# Allegro board MB1045.brd (continued)
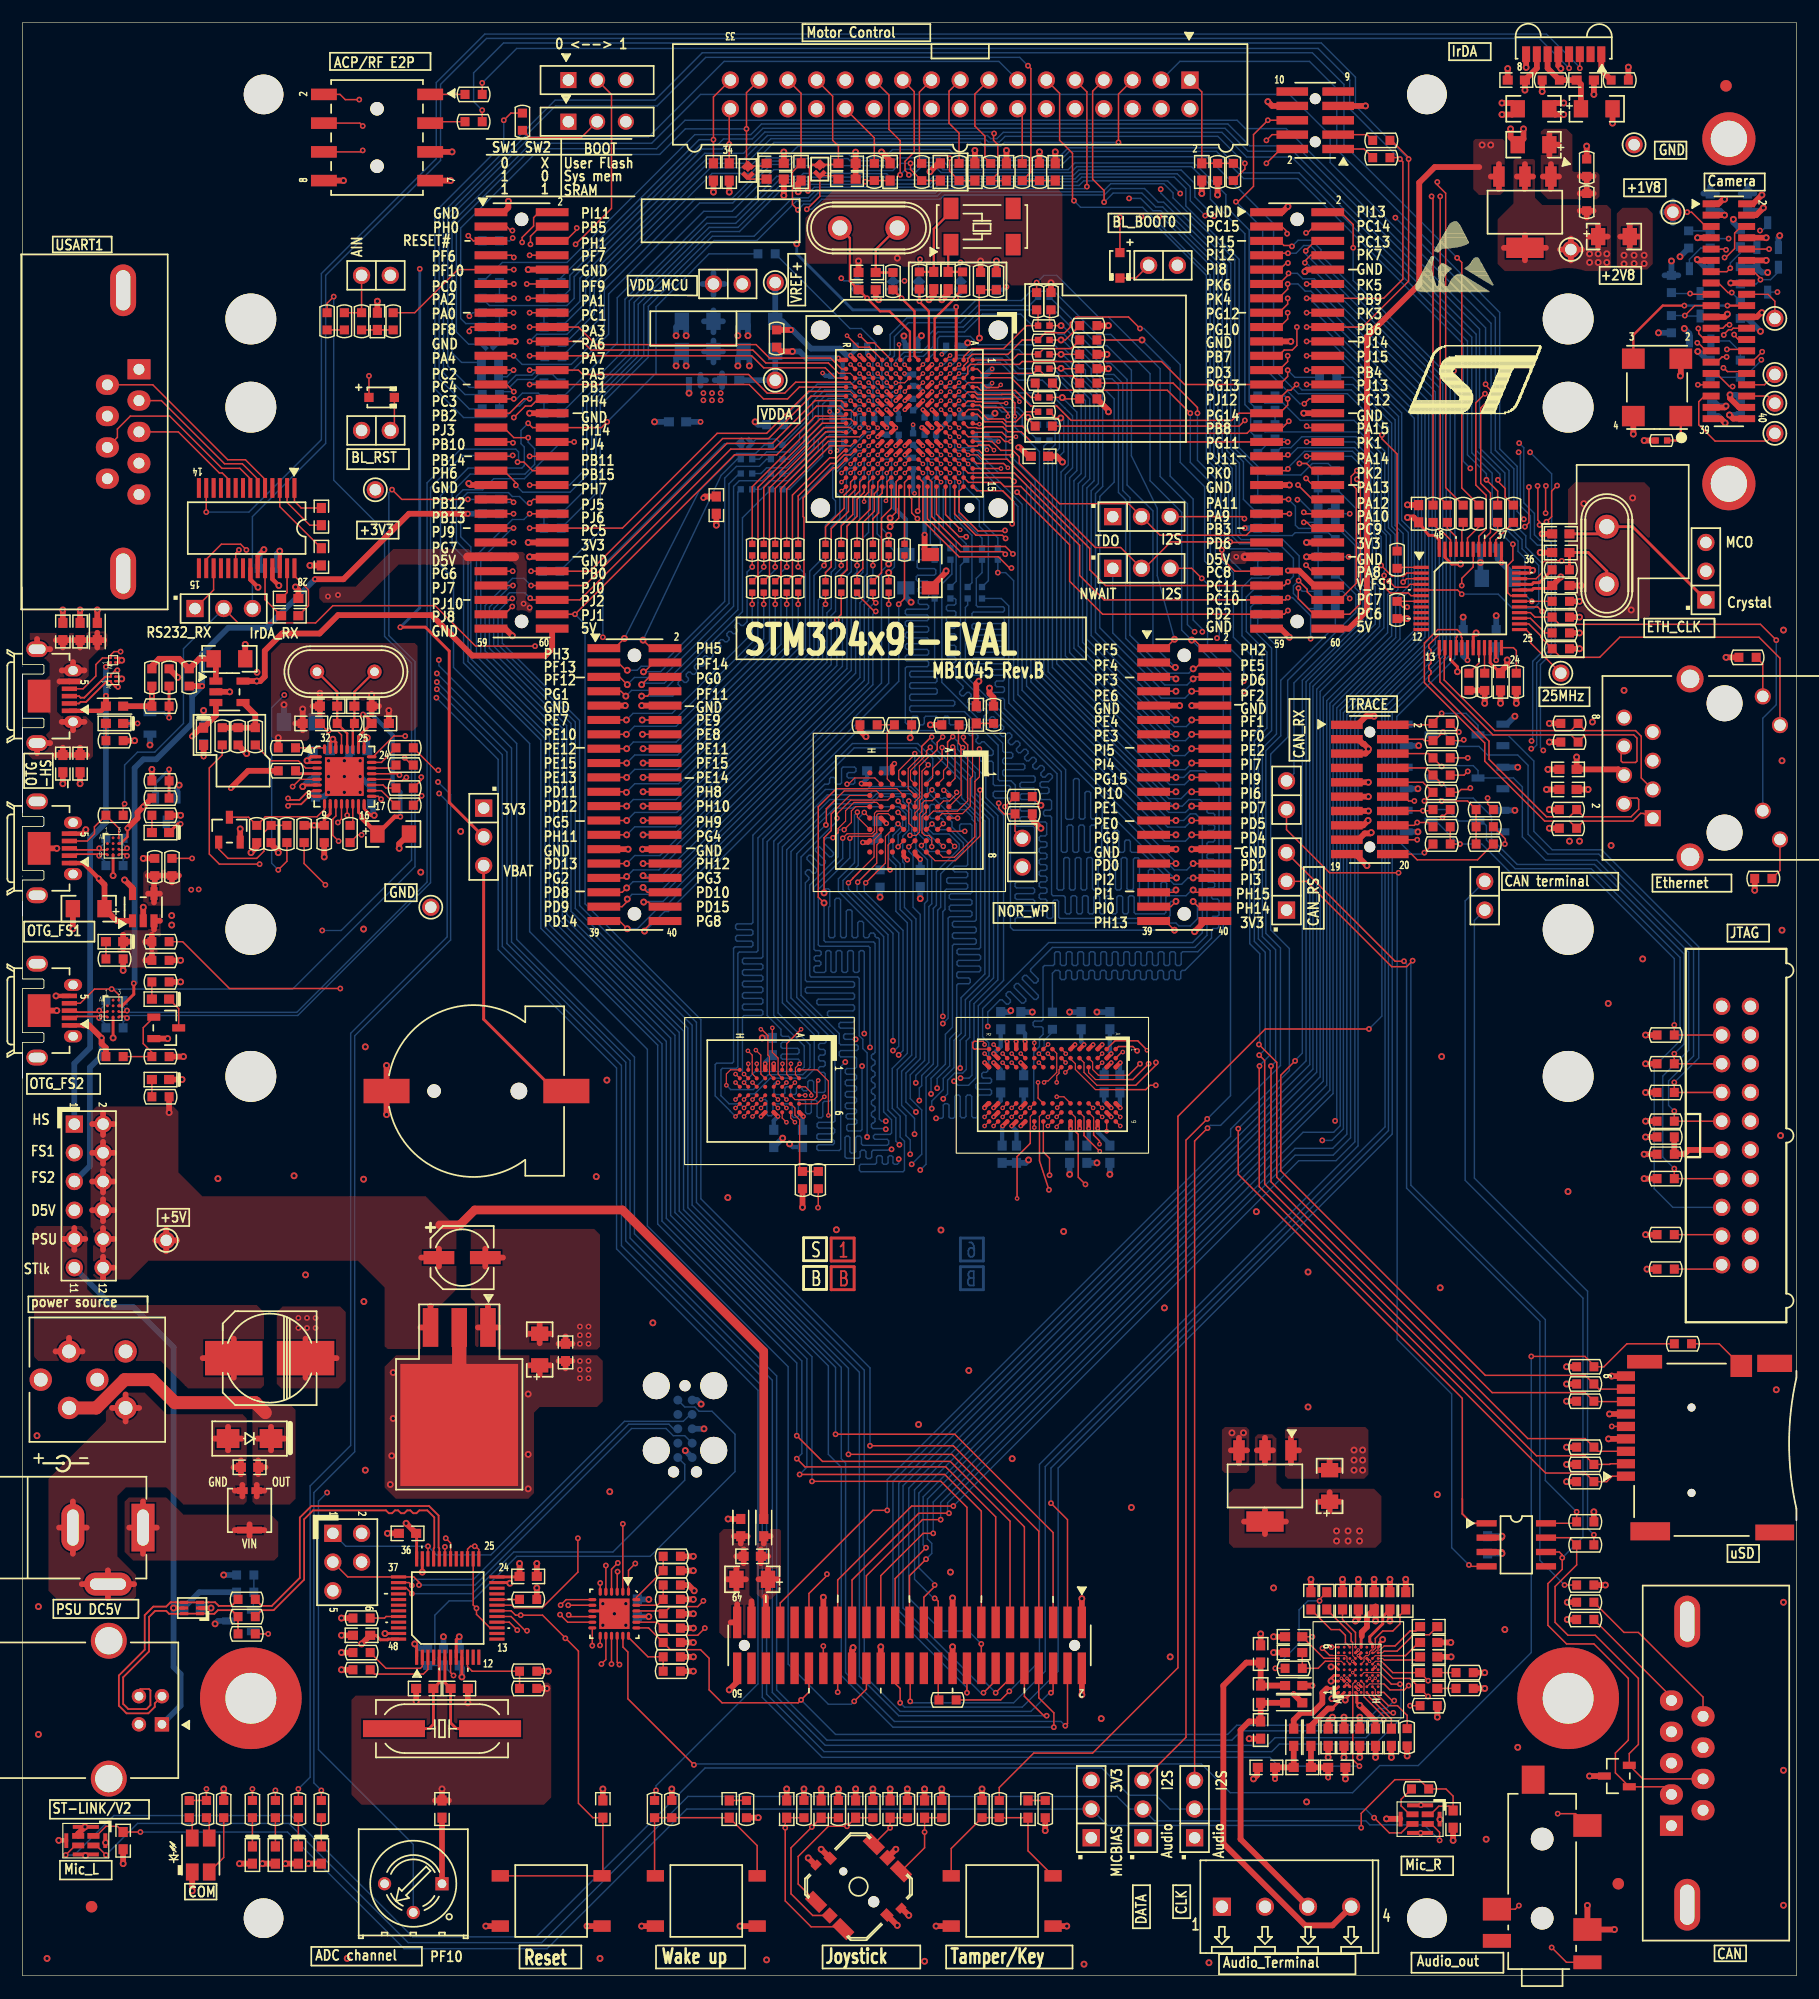
[diagram p0: board, top side]
## Nets (continued)
PC1: CN6.16 R218.2 R222.2 U3.M3
PC2: CN6.23 R228.2 R232.2 U3.M4
PC3: CN6.27 R238.2 R242.2 U3.L4
PC4: CN6.25 R235.2 R239.2 U3.N5
PC5: CN6.46 R263.2 R267.2 U3.P5
PC13: CN7.6 R202.2 U3.D1
PC14: R19.2 SB3.1 U3.E1
PC15: R18.2 SB4.1 U3.F1
PD4: CN12.28 U3.D11 U8.G2 U11.A2
PD5: CN12.26 R110.2 U3.C10
PD7: CN12.24 R93.2 U3.A11
PE0: CN12.25 U3.A6 U10.K9 U11.A1
PE1: CN12.23 U3.A5 U10.K1 U11.B2
PF6: CN6.7 U3.K2 U17.E4
PF7: CN6.8 U3.K1 U17.D3
PF8: CN6.17 U3.L3 U17.G1
PF9: CN6.12 U3.L2 U17.E3
PF10: CN6.9 R28.2 U3.L1
PF11: CN11.8 R52.2 U10.J9
PG6: CN6.51 R192.1 U3.J15
PG7: CN6.47 R191.1 U3.J14
PG8: CN11.40 R62.2 U10.J1
PG9: CN12.27 R147.2 U3.D9
PG10: CN7.17 R190.1 U3.C8
PG11: CN7.33 R246.1 R249.1 U3.B8
PG12: CN7.15 R189.1 U3.C7
PG13: CN7.25 R233.1 U3.B3
PG14: CN7.29 R236.1 U3.A4
PG15: CN12.19 R42.2 U10.K7
PH0: R20.1 SB5.1 U3.G1
PH1: C23.1 SB6.1 U3.H1 X2.1
PH2: CN12.2 R301.2 U3.K4
PH3: CN11.1 R248.1 U10.J8
PH4: CN6.28 U3.H4 U7.11
PH5: CN11.2 R251.1 U10.K8
PH6: CN6.37 R47.2 U3.P13
PH7: CN6.40 R46.2 U3.N13
PI4: CN12.17 U3.C3 U10.F8
PI5: CN12.15 U3.D3 U10.F2
PI8: CN7.9 R167.2 U3.C2 U16.22
PI11: CN6.2 U3.F3 U7.12
PI12: CN7.7 CN20.26 U3.E3
PI13: CN7.2 CN20.28 U3.G3
PI14: CN6.32 CN20.32 R295.1
PK7: CN7.8 R183.2 U3.C4
RESET#: B1.2 B1.3 C91.2 CN20.36 D2.1 R109.2 R123.2 R208.1 U3.J1 U5.29 U15.18
RSTI_C: CN5.17 R212.1 T2.3
STL_USB_DM: R163.1 U15.32
STL_USB_DP: R168.1 U15.33
STM_JTCK_SWCLK: CN19.3 CN25.4 U15.37
STM_JTDI: CN25.8 U15.38
STM_JTDO: CN25.6 U15.39
STM_JTMS_SWDIO: CN19.1 CN25.2 U15.34
STM_RST: C165.2 CN25.10 R305.1 U15.7
SWIM_PU_CTRL: U15.4
T_JTDO: JP4.1 R103.2 U15.16 U15.31
U5V_ST_LINK: C163.1 CN21.1 D8.5 JP12.11 R304.1
VREF+: C103.1 C107.2 R31.2 TP2.1 U3.P1
XSDN_C: CN5.19 R220.1 T3.3

Pads without a net: CN2 5 9 10; CN8 1 4 7 9; CN10 7; CN13 7; CN17 11 12 13 14; CN19 5; CN20 24 41 42 44 46 48; CN22 1 4 8; CN23 5 7; CN25 7 9; D5 A2 B1 B2 C2; D6 A2 B1 B2 C2; D9 1; D10 1; D11 1; D12 1; D13 1; D14 1; U1 2; U4 4 8 9 11 12 14 15 18 19 21; U5 8 9 10 11 12; U8 A1 A8 B1 C1 D1 E1 F8 G1 G8 H1 H8; U10 E3 E7 H3 H7 K2 K3; U11 E3; U14 5; U15 11 12 13 14 21 22 28 40 41 42 43 45 46; U17 A6 A8 B4 B5 B7 B8 B9 C4 C5 C7 C8 E1 E5 F4 F5 F6 F8 F9 G4 H2 H3 H4 H5; X1 2 3

## Via types
v1: diameter 0.508, hole 0.254, TOP to BOTTOM, 583 vias
v2: diameter 0.406, hole 0.203, TOP to BOTTOM, 292 vias
v3: diameter 0.305, hole 0.152, TOP to BOTTOM, 13 vias
v4: diameter 0.61, hole 0.305, TOP to BOTTOM, 602 vias
v5: diameter 0.483, hole 0.254, TOP to BOTTOM, 48 vias

## Routing (per net, layer and track width the routed paths; a pad name or vN(x,y) marks a point on that pad's centre or on a via; arc(x,y) is an arc through that point)
+1V8: length 39.7
  TOP w0.229: U17.D1 117.98,24.93 117.98,24.77 ; U17.D8 v3(118.11,28.8)
  TOP w0.254: v4(118.24,23.91) 117.98,24.16 117.98,24.77 ; C66.1 120.27,31.75 120.27,31.11 119.13,29.97 119.13,29.54 119.36,29.31 U17.G9
  TOP w0.508: 115.57,41.07 C56.1 ; C56.1 116.54,41.91 ; C56.1 114.6,41.91 ; C56.1 115.57,42.75 ; U13.4 111.71,40.16 ; U13.4 108,40.16 ; U13.4 109.86,41.26 ; U13.4 109.86,39.05 ; X3.4 v4(142.43,136.33) ; U13.2 109.86,47.56 ; U13.2 109.14,46.46 ; U13.2 109.86,45.35 ; U13.2 110.57,46.46 ; C66.1 v4(120.9,31.37) ; C64.1 118.11,31.62 v4(117.86,31.37) ; R44.2 v4(143.38,135.76) ; v4(118.24,23.91) 119.63,22.51 C84.1 ; CN5.1 149.33,156.72 149.99,156.72 150.37,157.1 v4(150.5,157.1) ; CN5.2 153.01,156.69 v4(153.8,157.48)
  BOTTOM w0.508: 151.92,157.61 C100.1 ; C100.1 152.53,158.26 ; C100.1 153.14,157.61 ; v4(145.8,151.64) R212.2 ; R212.2 146.41,150.37 ; R212.2 145.19,150.37 ; 144.96,155.96 TP12.1 ; TP12.1 145.92,156.92 ; TP12.1 145.92,154.99 ; v4(144.65,145.29) R220.2 ; 148.61,157.61 C101.2 ; C101.2 149.22,158.26 ; C101.2 149.84,157.61
  vias: v4(116.19,39.33) v4(116.19,38.44) v4(117.2,39.33) v4(117.2,38.44) v4(118.22,39.33) v4(118.22,38.44) v4(136.78,100.33) v4(137.67,100.33)
+2V8: length 29.2
  TOP w0.508: 138.3,155.49 R17.1 ; R17.1 138.91,156.08 ; R17.1 137.69,156.08 ; C19.1 140.16,153.8 ; C19.1 138.48,153.8 ; C19.1 139.32,154.76 ; C19.1 139.32,152.83 ; 132.13,159.11 U2.2 ; U2.2 132.84,160.21 ; U2.2 132.84,158 ; U2.2 133.55,159.11 ; 130.99,152.81 U2.4 ; U2.4 132.84,151.7 ; U2.4 134.7,152.81 ; U2.4 132.84,153.91 ; TP1.1 136.91,153.62 ; TP1.1 136.91,151.69 ; TP1.1 135.94,152.65 ; TP1.1 137.87,152.65 ; v4(150.93,138.02) 151.26,137.69 CN5.40 ; CN5.39 150.17,137.69 v4(150.55,137.31)
  BOTTOM w0.508: v4(150.55,137.31) 149.94,137.92 C117.1 ; R209.2 151.93,151.09 TR2.2 153.36,151.06 153.8,150.62 v4(154.31,150.62) ; TR1.2 155.25,153.69 155.37,153.81 v4(155.37,153.88) ; v4(151.27,155.32) 151.27,155.05 R205.2 ; v4(150.93,138.02) 151.79,138.02 C116.1
  vias: v4(138.56,152.27) v4(138.56,151.51) v4(139.32,152.27) v4(139.32,151.51) v4(140.08,152.27) v4(140.08,151.51)
+3V3: length 233
  TOP w0.229: v3(118.11,25.3) 118.11,25.3 U17.D2 ; U17.B2 116.86,25.55 v3(117.11,25.8) 117.36,25.55 U17.C2
  TOP w0.254: C57.2 34.84,39.07 U15.36 ; v4(55.37,31.75) 55.37,31.75 U16.21 ; C69.2 31.24,30.1 31.64,29.7 32.27,29.7 32.33,29.76 U15.48 ; U5.48 125.27,126.96 124.84,127.38 124.33,127.38 C27.1 ; U7.16 30.2,103.2 30.78,102.62 v4(31.09,102.62) ; U7.31 27.2,109.11 v4(27.43,109.35) 27.7,109.08 U7.30 ; U7.25 30.2,109.19 v4(30.48,109.47) ; U15.1 34.84,29.17 v4(34.67,29.34) ; 118.41,30.02 118.36,29.97 U17.E9 ; U5.22 129.77,116.11 C39.2 ; v4(24.77,105.16) 24.9,105.29 U7.6 ; U15.24 43.9,35.26 C59.1 ; U15.9 v4(38.84,26.42) ; C33.2 135,122.68 133.62,122.68 133.48,122.54 U5.32
  TOP w0.381: U4.22 20.14,123.46 v4(20.82,122.78) ; U10.L1 88.66,82.58 v2(88.64,82.6) ; v2(94.27,74.93) 94.26,74.94 U10.D9 ; U10.C9 95.06,74.94 v2(95.07,74.93) ; U10.F9 92.66,74.94 v2(92.67,74.93) ; v2(97.06,76.74) U10.A7 ; U10.M9 v2(87.46,75.14) ; U8.F1 76.91,107.01 v5(77.09,107.19) ; v2(66.79,75.98) 66.42,76.36 U11.D6 ; v2(85.06,76.74) 85.06,76.8 85.4,77.14 U10.R7 ; U4.26 22.74,125.98 v4(22.73,125.98) ; U10.L7 v2(88.26,76.74) ; U10.N9 v2(86.66,75.14) ; U10.P2 v2(85.86,81.54) ; v2(65.66,80.64) 65.66,80.11 U11.E1 ; U10.B2 v2(96.26,81.54) ; U11.A6 v2(69.04,75.98) ; U8.G5 v5(76.38,101.9) ; U10.E1 v2(93.86,82.34) ; v5(79.38,98.73) 78.91,99.19 U8.D8 ; U10.B7 v2(96.26,76.74) ; U10.P7 v2(85.86,76.74)
  TOP w0.508: R118.2 v4(13.97,102.62) ; R173.1 v4(59.31,29.46) ; R167.1 v4(59.31,32) ; R151.2 v4(136.53,53.85) ; 106.84,46.46 U13.3 ; U13.3 107.56,45.35 ; U13.3 108.27,46.46 ; U13.3 107.56,47.56 ; 45.72,53.14 C52.1 ; C52.1 44.75,53.98 ; C52.1 46.69,53.98 ; v4(130.81,37.34) 130.81,37.44 130.78,37.47 U14.3 ; R136.2 v4(143.51,83.19) ; R2.1 v4(141.99,168.78) ; R78.2 v4(137.67,118.75) ; R135.2 v4(13.97,87.88) ; R198.1 v4(75.18,16.51) ; R88.1 85.85,113.03 85.5,113.39 v4(85.5,113.87) ; LD4.1 v4(19.18,9.91) ; v4(136.02,123.7) C33.2 ; T7.1 v4(19.24,101.41) ; C39.2 130.68,115.32 131.27,115.9 v4(131.27,116.36) ; R145.2 v4(143.38,70.48) ; R80.2 v4(150.62,116.59) ; R79.2 v4(137.67,117.35) ; R156.1 v4(136.53,43.69) ; CN12.40 104.57,93.27 v4(103.63,92.33) ; R196.1 v4(69.09,16.51) ; v4(132.84,166.75) C1.1 133.9,168.69 U1.7 ; LD2.1 v4(23.24,9.91) ; R131.2 v4(153.16,95.99) ; R184.2 v4(125.09,22.86) ; R160.1 v4(59.31,35.81) ; R125.1 v4(26.67,98.93) ; R153.1 v4(136.53,50.8) ; C27.1 123.01,128.96 v4(122.45,128.96) ; R134.1 v4(13.97,89.79) ; LD3.1 v4(21.21,9.91) ; R75.2 v4(137.67,121.54) ; v4(116.84,22.86) C82.1 ; R22.2 v4(86.11,151.64) ; R162.2 v4(139.95,34.54) ; R122.1 21.97,100.08 22.61,99.44 v4(22.61,99.31) ; R76.1 v4(122.43,120.02) ; CN6.48 v4(44.7,126.75) ; R197.1 v4(72.14,16.51) ; B2.4 v4(63.44,4.38) ; R154.1 v4(136.53,46.74) ; R185.1 v4(122.43,19.43) ; R77.2 v4(137.67,120.14) ; R94.2 v4(80.26,110.62) ; C53.1 48.62,54.36 ; C53.1 47.4,54.36 ; C53.1 48.01,53.71 ; v4(62.48,25.27) 63.18,25.97 CN20.50 ; R188.2 v4(17.78,16.51) ; v4(118.24,22.86) C83.1 ; R92.2 74.04,110.11 v4(74.57,109.58) ; R91.1 v4(135,110.74) ; R84.2 R85.2 v4(129.29,112.52) ; R140.2 v4(143.51,78.11) ; RV1.1 C90.1 ; C48.2 v4(138.43,104.9) ; R199.1 v4(78.23,16.51) ; R178.1 v4(46.48,26.92) ; R171.1 v4(59.31,30.73) ; R15.2 v4(105.66,157.48) ; CN17.4 v4(140.24,47.47) ; C57.2 v4(33.91,40.01) ; R179.1 v4(59.31,26.92) ; C69.2 v4(29.97,29.34) ; v4(136.27,164.59) 135.51,164.59 C3.1 135.51,165.61 v4(136.27,165.61) ; v4(119.63,31.37) 119.63,32.64 119.51,32.51 C65.1 118.87,31.75 118.87,30.84 118.41,30.38 118.41,30.02 ; LD1.1 v4(25.27,9.91) ; 141.6,106.17 141.1,106.68 C47.2 v4(137.41,107.77) ; R195.1 v4(65.05,13.97) ; R144.2 v4(143.38,72.64) ; R146.2 v4(68.96,67.94) ; C26.1 v4(61.34,128.27) ; R100.1 v4(135,109.09) ; v4(91.95,133.86) 91.44,134.37 C25.1 ; B2.1 v4(54.74,4.38) ; C59.1 v4(43.94,36.45) ; CN13.1 118.03,110.62 118.8,111.38 v4(119.51,111.38) ; R116.2 89.28,102.23 v4(90.04,101.47) ; CN3.5 v4(37.97,161.29) ; R133.2 v4(8.89,88.9) ; R165.1 v4(59.31,33.27) ; R200.1 v4(81.28,16.51) ; R201.2 v4(84.84,16.51) ; C81.1 115.44,22.48 v4(115.82,22.86) ; R115.1 v4(135,103.12) ; R152.1 v4(136.53,52.32) ; R98.2 v4(9.91,109.22) ; R166.1 v4(136.59,33.02) ; R155.1 v4(136.53,45.21) ; CN7.48 v4(113.53,126.75) ; R139.2 v4(143.51,80.64) ; R1.1 v4(134.37,166.62) ; R121.1 v4(135,101.47)
  TOP w1.27: U12.2 U12.4
  BOTTOM w0.381: C154.1 68.96,75.9 v2(69.04,75.98) ; C151.1 95.63,77.37 v2(96.26,76.74) ; v5(77.09,107.19) 76.45,106.55 C140.1 ; C158.1 92.67,73.49 v2(92.67,74.93) ; v2(97.06,76.74) 97.03,76.77 C150.1 ; v2(88.26,76.74) 88.52,77 C152.1 ; v2(85.86,76.74) 86.49,77.37 C153.1 ; v2(95.07,74.93) 95.07,74.6 96.14,73.53 C156.1 ; v2(87.46,75.14) 87.88,74.72 C159.1 ; v2(96.26,81.54) 96.14,81.66 C145.1 ; v2(88.64,82.6) 88.64,83.32 C147.1 ; v5(76.38,101.9) 76.17,102.11 C143.1 ; v2(65.66,80.64) 65.66,80.77 C149.1 ; C146.1 93.6,82.6 v2(93.86,82.34) ; C157.1 94.27,73.57 v2(94.27,74.93) ; C148.1 86.49,82.17 v2(85.86,81.54) ; v2(86.66,75.14) 86.61,75.1 C160.1 ; C155.1 66.42,75.61 v2(66.79,75.98) ; v5(79.38,98.73) C144.1
  BOTTOM w0.508: C139.1 27.18,109.09 v4(27.43,109.35) ; v4(59.99,50.55) 59.64,50.9 CN25.1 ; C132.1 22.48,125.73 v4(22.73,125.98) ; C164.2 38.84,27.2 v4(38.84,26.42) ; v4(24.77,105.16) 25.4,105.79 C141.1 ; R305.2 35.05,28.96 v4(34.67,29.34) ; C142.1 30.99,103.5 30.99,102.72 v4(31.09,102.62) ; R216.1 152.53,146.56 v4(153.67,145.41) ; v4(16,111.89) R296.2 ; C161.1 v4(130.81,37.34) ; C124.1 v4(55.88,137.41) ; T6.3 17.27,31.37 v4(17.02,31.11) ; C162.1 v4(55.37,31.75) ; R22.2 v4(86.11,151.64) ; C138.1 v4(30.48,109.47) ; R299.2 v4(75.82,95.38)
  vias: v1(49.28,54.36) v1(49.28,53.59) v1(49.28,52.83) v1(50.04,54.36) v1(50.04,53.59) v1(50.04,52.83) v4(32.51,43.43) v4(32.64,45.97) v4(32.77,53.34) v4(32.77,49.28) v4(44.7,51.44) v4(44.7,46.1) v4(44.7,43.05) v4(106.93,48.01) v4(107.95,48.01)
+5V: length 185.1
  TOP w0.508: 128.8,159.94 124.87,159.94 123.49,158.57 123.49,149.58 118.87,144.96 118.87,120.73 117.27,119.13 CN7.60 ; 129.83,159.11 U2.3 ; U2.3 130.54,160.21 ; U2.3 130.54,158 ; TP9.1 13.67,65.02 ; TP9.1 12.7,65.99 ; TP9.1 11.73,65.02 ; TP9.1 12.7,64.06 ; JP12.8 7.11,68.66 ; JP12.8 6.15,67.69 ; JP12.8 8.08,67.69 ; JP12.8 7.11,66.73 ; 6.15,70.23 JP12.6 ; JP12.6 7.11,71.2 ; JP12.6 8.08,70.23 ; JP12.6 7.11,69.27 ; v4(110.11,165.74) 110.49,165.35 CN2.8 ; U9.5 9.72,96.2 v4(9.02,96.9) ; 7.11,61.65 JP12.12 ; JP12.12 8.08,62.61 ; JP12.12 7.11,63.58 ; 7.11,64.19 7.11,65.15 ; 7.11,65.15 8.08,65.15 ; 7.11,65.15 7.11,66.12 ; 35.25,63.5 C51.1 ; C51.1 36.81,64.29 ; C51.1 36.81,62.71 ; JP12.2 7.11,76.28 ; JP12.2 8.08,75.31 ; JP12.2 7.11,74.35 ; JP12.2 6.15,75.31 ; U6.5 v4(20.7,114.49) 21.02,114.49 21.41,114.88 21.41,117.17 22.94,118.69 26.26,118.69 27.89,120.32 36.17,120.32 39.75,116.74 46.23,116.74 46.82,117.34 CN6.60 ; 35.18,57.32 U12.3 36.07,59.24 ; 7.11,71.81 JP12.4 ; JP12.4 7.11,73.74 ; JP12.4 8.08,72.77 ; JP12.4 6.15,72.77 ; R141.2 v4(12.95,76.33) ; CN3.8 v4(28.37,158.75)
  TOP w0.762: 36.88,66.4 38.66,66.4 39.98,67.72 53.04,67.72 65.53,55.22 L5.1
  L4_SIG w0.508: CN1.25 72.74,168.61 ; CN1.25 71.78,167.64 ; CN1.25 73.71,167.64 ; 6.15,72.77 JP12.4 ; JP12.4 7.11,73.74 ; JP12.4 7.11,71.81 ; JP12.4 8.08,72.77 ; JP12.2 7.11,76.28 ; JP12.2 6.15,75.31 ; JP12.2 8.08,75.31 ; JP12.2 7.11,74.35
  vias: v4(13.18,93.75) v4(13.18,92.91) v4(20.73,115.27) v4(129.06,161.9) v4(129.82,161.9)
D5V: length 9.9
  TOP w0.762: 39.34,125.48 CN6.49 43.51,125.48 ; CN7.49 v1(108.08,125.48)
  L4_SIG w0.508: JP12.7 4.57,68.66 ; JP12.7 4.57,66.73 ; JP12.7 3.61,67.69 ; JP12.7 5.54,67.69
  vias: v1(14.91,96.04) v1(15.57,96.06) v1(27,121.97) v1(27.89,122.1) v1(44.3,121.34) v1(44.83,120.98) v1(107.31,125.48)
GND: length 580.6
  TOP w0.203: D4.B1 8.56,114.48 v4(8.76,114.68) 8.56,114.88 D4.B2 ; D3.B2 8.56,116.53 v4(8.76,116.33) 8.56,116.13 D3.B1
  TOP w0.229: v4(115.7,27.3) 116.11,27.3 U17.A5 ; U17.E7 118.36,28.05 v3(118.11,28.3) U17.E8 ; v3(118.11,25.8) 118.36,25.55 U17.E2 ; U17.A1 116.33,25.05 v4(115.77,24.49) ; U17.A3 115.7,26.05 v4(115.7,26.05) 115.7,26.29 115.96,26.55 U17.A4 ; U17.G5 119.36,27.05 119.61,27.3 v3(119.61,27.3) ; U17.D6 v3(117.61,27.8) ; U17.C1 117.36,24.85 116.96,24.45 v4(116.96,24.37) ; v3(119.11,27.8) U17.F7
  TOP w0.254: U15.47 v4(32.04,30.26) ; U15.23 43.18,34.76 43.18,34.7 v4(43.09,34.7) ; v4(126.87,115.32) 126.87,115.75 126.27,116.36 U5.15 ; v4(128.52,118.75) 128.27,118.49 U5.19 ; v4(38.61,29.97) 38.34,29.71 U15.8 ; v4(120.26,29.73) 120.26,29.71 120.02,29.46 120.02,29.21 U17.H9 ; U7.2 25.29,107.29 v4(25.15,107.44) 25.5,107.8 U7.1 ; D6.D2 v4(8,82.93) ; U16.9 52.07,32.25 v4(52.32,32) ; U15.35 v4(35.34,35.69) ; U5.36 133.27,124.54 v4(133.53,124.28) 133.29,124.04 U5.35 ; U5.47 125.77,125.44 126.36,124.84 v4(127.15,124.84) ; v4(8,97.28) D5.D2
  TOP w0.381: U10.L9 v2(88.26,75.14) ; U3.F10 v2(80.41,135.29) ; v2(77.21,135.29) 77.61,135.69 U3.J10 ; U3.M1 v2(74.81,143.29) ; U10.E9 93.46,74.94 v2(93.47,74.93) ; v5(78.23,98.68) 77.91,99 U8.E8 ; U3.J6 77.2,138.48 v2(77.19,138.48) ; U3.F9 79.59,136.91 v2(79.5,136.91) ; v2(76.41,139.29) U3.K6 ; U3.H6 v2(78.01,138.49) ; U10.B3 v2(96.26,80.74) ; v2(79.61,138.49) U3.F7 ; U3.K10 v2(76.41,135.29) ; U3.F6 v2(80.41,139.29) ; U4.23 20.79,125.56 v4(21.34,126.11) ; U3.L6 v2(75.61,139.29) ; v2(74.01,143.29) U3.N1 ; v4(5.59,101.35) 5.24,100.99 CN14.5 ; U10.L3 v2(88.26,80.74) ; U8.H2 74.22,105.37 v5(74.17,105.42) ; U3.K9 v2(77.22,136.89) 76.82,137.29 U3.K8 ; U10.N1 87.06,82.58 v2(87.04,82.6) ; U3.K7 v2(76.41,138.49) ; U10.F1 v2(93.06,82.34) ; v2(79.61,135.29) U3.G10 ; U10.D1 v2(94.66,82.34) ; U10.P3 v2(85.86,80.74) ; U10.A3 v2(97.06,80.74) ; v5(74.3,100.22) 74.76,100.22 U8.H7 ; v2(87.84,82.6) 87.86,82.58 U10.M1 ; U11.E6 v2(65.29,75.98) ; U19.5 v4(3.2,11.96) ; CN15.5 v4(2.95,86.64) ; U10.P8 v2(85.86,75.94) ; v2(80.41,142.49) U3.F2 ; U10.R3 v2(85.06,80.74) ; U11.D1 v2(66.41,80.64) ; v4(22.66,122.94) 22.09,123.51 U4.25 ; U3.H10 v2(78.01,135.29) ; U10.C1 v2(95.46,82.34) ; U10.B8 v2(96.26,75.94) ; D8.2 v4(16.66,32.51) ; v2(79.61,139.29) U3.G6 ; U3.F8 v2(80.41,136.89)
  TOP w0.508: CN6.19 v4(43.56,144.53) ; C22.2 81.84,148.77 v4(81.28,148.21) ; C34.1 24.38,122.56 v4(24.13,122.81) ; C51.2 42.47,63.5 ; C51.2 40.91,64.29 ; C51.2 40.91,62.71 ; R149.1 v4(143.64,62.48) ; U13.1 112.15,47.56 ; U13.1 112.15,45.35 ; U13.1 112.87,46.46 ; U12.1 41.15,59.24 ; U12.1 40.26,57.32 ; U12.1 42.04,57.32 ; C96.1 v4(76.71,16.51) ; 36.47,15.49 C90.2 ; C90.2 37.69,15.49 ; C90.2 v4(37.08,16.51) ; C81.2 v4(115.44,19.32) ; v4(20.19,99.31) 20.7,99.82 R259.1 ; R164.2 v4(45.47,34.29) ; C36.2 v4(3.56,120.78) ; C18.1 C7.1 v4(73.66,161.26) ; v4(80.24,159.54) 80.98,160.27 C12.1 ; C97.1 v4(79.76,16.51) ; CN6.50 v4(44.83,125.48) ; v4(130.81,38.86) 130.81,38.76 130.78,38.73 U14.2 ; R35.1 v4(95.89,143.38) ; C83.2 v4(118.24,19.3) ; C20.2 v4(73.91,151.64) ; C46.2 v4(5.08,105.41) ; C53.2 48.62,55.88 ; C53.2 47.4,55.88 ; C53.2 48.01,56.53 ; U9.2 v4(10.67,94.49) ; v4(84.56,114.48) 84.33,114.25 C42.2 ; CN20.37 v4(70.8,33.46) ; CN13.9 v4(119,105.54) ; v4(81.66,124.23) 81.66,124.13 C32.2 ; U18.5 v4(120.6,13.87) ; R14.2 v4(89.92,161.29) ; B4.10 77.73,5.96 v4(78.36,5.33) ; C54.2 25.02,56.34 ; C54.2 27.76,54.61 ; C54.2 25.02,52.88 ; L4.1 v4(62.38,40.39) ; B4.7 v4(70.61,11.18) ; R107.1 v4(11.43,106.68) ; C33.1 v4(137.79,122.94) ; v4(130.81,165.61) 131.7,165.61 C3.2 131.7,164.59 v4(130.81,164.59) ; C73.2 v4(109.47,30.23) ; R169.1 v4(28.19,31.62) ; C31.1 v4(25.4,124.71) ; B1.1 v4(40.96,4.38) ; C72.1 v4(110.62,28.57) ; C43.2 v4(24.77,112.01) ; C43.2 24.12,110.74 ; C43.2 24.77,110.13 ; R37.1 v4(96.01,142.11) ; v4(59.39,34.04) 58.88,34.54 R161.1 ; CN17.9 v4(140.52,53.02) ; U19.2 4.91,12.56 v4(5.51,13.16) ; C80.2 v4(108.46,20.95) ; LD11.1 v4(15,7.5) ; CN7.50 v4(113.53,125.48) ; 45.72,55.93 C52.2 ; C52.2 45.72,57.61 ; C52.2 46.69,56.77 ; C52.2 44.75,56.77 ; CN5.38 151.78,138.69 150.98,139.5 v4(150.98,139.8) ; CN7.1 111.38,155.96 v4(111.89,156.46) ; CN7.59 111.25,119.13 v4(112.01,118.36) ; C66.2 v4(120.9,35.05) ; R175.1 v4(59.31,28.19) ; CN13.13 v4(119,103) ; C15.2 v4(91.31,161.29) ; CN13.11 v4(119,104.27) ; v4(153.92,156.34) 153.28,155.69 CN5.4 ; C63.2 v4(116.71,35.05) ; C11.2 76.71,160.53 75.96,161.28 v4(75.95,161.28) ; 114.6,44.7 C56.2 ; C56.2 116.54,44.7 ; C56.2 115.57,45.54 ; v4(42.95,156.92) 42.95,156.36 42.55,155.96 CN6.1 ; v4(140.76,4.08) CN23.3 v4(138.37,6.21) ; R194.2 v4(57.4,16.51) ; R129.1 v4(10.67,98.81) ; C27.2 123.42,130.07 v4(122.45,130.07) ; C41.2 v4(30.86,113.28) ; C41.2 30.86,111.66 ; C41.2 31.51,112.27 ; C76.1 v4(34.8,24.26) ; C50.2 v4(4.45,92.58) ; v4(80.14,148.21) 80.57,148.64 C21.2 ; U1.8 v4(132.95,168.76) ; R101.1 v4(22.61,109.47) ; R177.1 v4(28.19,27.05) ; C40.2 v4(26.29,113.41) ; C40.2 25.64,112.27 ; C40.2 26.29,111.66 ; C88.1 v4(116.97,17.4) ; U1.5 135.8,168.9 136.02,168.68 v4(136.02,168.66) ; v4(96.01,138.3) 96.01,138.43 R41.1 ; v4(32.18,80.49) BT1.2 v4(32.18,76.15) ; C30.1 v4(134.19,125.86) ; C64.2 v4(118.11,35.05) ; CN7.19 v4(112.14,144.53) ; T1.1 v4(12.83,82.87) ; C84.2 v4(119.63,19.3) ; C65.2 v4(119.51,35.05) ; CN5.11 148.15,151.69 v4(148.08,151.77) ; C19.2 142.95,153.8 ; C19.2 142.11,152.83 ; C19.2 142.11,154.76 ; C19.2 141.27,153.8 ; R159.1 v4(59.31,37.08) ; CN5.21 150.5,146.69 v4(150.75,146.94) ; v4(33.3,99.69) 33.3,100.1 C49.2 ; C6.1 v4(67.31,161.28) ; CN12.30 v4(103.38,99.62) ; CN12.29 v4(101.98,99.62) ; v4(150.62,138.81) 150.5,138.69 CN5.37 ; C45.2 v4(3.56,105.41) ; R82.1 v4(13.72,114.81) ; CN12.9 v4(102.31,112.32) ; C38.2 v4(19.68,117.73) ; C94.1 v4(70.61,16.51) ; C8.1 v4(61.09,157.73) ; CN5.3 v4(150.5,155.69) ; CN5.8 v4(154.18,153.69) ; C2.2 v4(138.94,166.37) ; B4.9 70.1,9.78 v4(69.47,10.41) ; C69.1 v4(28.19,30.1) ; v4(68.58,157.76) 68.58,158.5 C10.1 ; v4(39.45,131.97) 39.59,131.83 CN6.39 ; v4(43.31,118.49) 42.67,119.13 CN6.59 ; C70.1 v4(110.62,29.97) ; C47.1 v4(134.87,106.68) ; C59.2 v4(45.47,36.45) ; C23.2 75.44,148.46 v4(75.69,148.21) ; L1.1 v4(6.6,120.78) ; D15.3 v4(138.56,17.65) ; R86.1 v4(132.08,112.52) ; CN13.17 118.11,100.46 118.67,101.02 119.18,101.02 v4(119.25,101.09) ; R170.1 v4(136.59,31.5) ; v4(146.58,141.48) 146.58,141.59 146.63,141.63 X3.2 ; C57.1 v4(32.26,39.12) ; C13.1 v4(84.2,161.42) ; B4.8 v4(77.34,4.45) ; C86.1 109.17,18.36 109.17,17.73 v4(108.84,17.4) ; C71.2 v4(126.29,29.46) ; CN5.22 153.35,146.69 153.72,147.07 v4(153.8,147.07) ; CN13.19 117.86,99.19 v4(118.87,98.17) ; CN20.20 v4(82.23,29.08) ; R21.2 v4(84.71,151.64) ; B4.5 v4(77.22,11.18) ; C77.1 v4(39.37,24.13) ; CN20.2 v4(93.66,24.83) ; C67.2 v4(122.3,35.05) ; CN12.10 v4(103.38,112.32) ; R30.1 v4(96.01,145.92) ; C39.1 v4(130.68,112.52) ; CN11.30 v4(54.81,99.62) ; C85.2 v4(121.03,19.3) ; CN20.30 v4(75.88,29.08) ; CN15.10 v4(3.02,85.34) ; CN6.10 v4(44.7,150.88) ; C17.2 v4(67.31,157.43) ; R143.1 v4(143.51,74.17) ; v4(113.39,150.7) 113.56,150.88 CN7.10 ; CN20.19 v4(82.23,33.4) ; C48.1 v4(134.75,104.9) ; C9.1 v4(62.48,157.73) ; CN5.12 v4(154.18,151.69) ; C93.1 v4(67.56,16.51) ; CN7.30 v4(113.28,138.18) ; CN13.5 118.75,108.08 119,108.33 v4(119,108.48) 119,108.53 118.59,108.94 118.52,108.94 118.11,109.35 CN13.3 ; CN11.10 v4(54.74,112.32) ; C14.1 v4(87,161.42) ; C99.2 v4(8.89,9.91) ; C44.2 v4(32.38,111.89) ; C37.2 v4(5.08,120.78) ; B1.4 v4(49.91,4.38) ; U6.2 v4(18.31,113.54) ; C82.2 v4(116.84,19.3) ; R24.1 v4(90.93,149.71) ; C74.2 v4(126.31,28.19) ; C61.1 v4(113.92,35.05) ; v4(118.97,102.16) 118.54,101.73 CN13.15 ; C29.2 v4(134.37,127.51) ; CN20.1 v4(93.66,33.34) ; C4.2 v4(140.59,163.83) ; CN11.9 v4(53.29,112.32) ; B3.4 v4(92.33,4.38) ; R181.2 v4(46.35,25.4) ; CN14.10 v4(3.02,99.69) ; CN6.30 v4(44.83,138.18) ; LD10.2 v4(14.1,79.25) ; v4(73.43,29.01) 73.43,28.85 73.34,28.77 CN20.34 ; R180.2 v4(129.29,26.8) ; C95.1 v4(73.66,16.51) ; R182.2 v4(129.29,25.4) ; C16.1 v4(104.27,157.61) ; CN17.6 v4(140.32,49.67) ; B3.1 v4(80.77,4.38) ; CN2.7 v4(118.75,165.35) ; R203.1 v4(90.42,12.83) ; v4(132.72,163.32) 132.72,162.43 C5.2 131.57,162.56 v4(131.57,163.32) ; C1.2 v4(131.32,168.66) ; R148.1 v4(143.51,65.53) ; R8.2 v4(138.3,161.8) ; CN11.29 v4(53.54,99.62) ; R174.1 v4(28.19,28.57) ; CN7.39 v4(112.01,131.83) ; C89.2 v4(126.49,11.96) ; CN5.16 v4(151.04,149.69) ; R142.1 v4(143.51,75.56) ; CN5.7 v4(148.11,153.69) ; R138.1 v4(14.22,81.28) ; CN3.7 v4(37.85,158.75) ; R96.1 v4(19.81,108.08) ; C91.1 v4(51.31,16.51) ; C24.1 v4(31.37,148.08) ; R157.2 v4(138.94,41.02)
  L4_SIG w0.508: CN16.18 152.78,66.37 ; CN16.18 153.75,65.41 ; CN16.18 152.78,64.44 ; CN16.18 151.82,65.41 ; CN16.4 152.78,84.15 ; CN16.4 152.78,82.22 ; CN16.4 153.75,83.19 ; CN16.4 151.82,83.19 ; 152.78,66.98 CN16.16 ; CN16.16 152.78,68.91 ; CN16.16 153.75,67.94 ; CN16.16 151.82,67.94 ; 147.19,28.83 CN22.10 ; CN22.10 145.85,31.32 ; CN22.10 148.54,31.32 ; CN22.10 147.19,33.81 ; CN16.10 152.78,76.53 ; CN16.10 151.82,75.56 ; CN16.10 152.78,74.6 ; CN16.10 153.75,75.56 ; 152.78,72.06 CN16.12 ; CN16.12 153.75,73.03 ; CN16.12 151.82,73.03 ; CN16.12 152.78,73.99 ; CN21.4 11.13,22.23 ; CN21.4 9.45,22.23 ; CN21.4 10.29,21.39 ; CN21.4 10.29,23.06 ; L3.5 1.6,53.9 ; L3.5 2.8,52.7 ; L3.5 1.6,51.51 ; 6.6,51.51 L3.4 ; L3.4 5.41,52.7 ; L3.4 7.8,52.7 ; L3.4 6.6,53.9 ; CN16.6 153.75,80.64 ; CN16.6 152.78,79.68 ; CN16.6 152.78,81.61 ; CN16.6 151.82,80.64 ; CN10.13 147.44,116.08 ; CN10.13 148.84,114.68 ; CN10.13 146.05,114.68 ; CN10.13 147.44,113.28 ; 152.78,61.9 CN16.20 ; CN16.20 152.78,63.83 ; CN16.20 151.82,62.87 ; CN16.20 153.75,62.87 ; 29.01,39.12 CN19.2 ; CN19.2 30.94,39.12 ; CN19.2 29.97,38.15 ; CN19.2 29.97,40.08 ; 5.83,17.42 CN21.6 ; CN21.6 7.62,19.22 ; CN21.6 7.62,15.63 ; CN21.6 9.41,17.42 ; 144.58,18.8 CN22.3 ; CN22.3 145.8,19.89 ; CN22.3 147.02,18.8 ; CN22.3 145.8,17.7 ; 5.83,29.62 CN21.5 ; CN21.5 7.62,27.83 ; CN21.5 7.62,31.41 ; CN21.5 9.41,29.62 ; 35.13,94.49 TP10.1 ; TP10.1 37.06,94.49 ; TP10.1 36.09,95.46 ; TP10.1 36.09,93.52 ; 146.05,98.93 CN10.14 ; CN10.14 148.84,98.93 ; CN10.14 147.44,97.53 ; CN10.14 147.44,100.33 ; 152.78,69.52 CN16.14 ; CN16.14 152.78,71.45 ; CN16.14 151.82,70.48 ; CN16.14 153.75,70.48 ; RV1.3 32,8.92 ; RV1.3 32,7.34 ; RV1.3 32.79,8.13 ; RV1.3 31.22,8.13 ; L3.6 10.3,55.21 ; L3.6 9.1,56.4 ; L3.6 7.91,55.21 ; L3.6 9.1,54.01 ; CN22.6 148.59,15.72 ; CN22.6 149.81,14.63 ; CN22.6 147.37,14.63 ; CN22.6 148.59,13.54 ; 140.69,111.25 141.6,111.25 ; 141.6,111.25 142.52,111.25 ; 141.6,111.25 141.6,112.17 ; 141.6,111.25 141.6,110.34 ; CN22.11 147.19,8.76 ; CN22.11 148.54,6.27 ; CN22.11 145.85,6.27 ; CN22.11 147.19,3.78 ; CN16.8 152.78,79.07 ; CN16.8 153.75,78.11 ; CN16.8 151.82,78.11 ; CN16.8 152.78,77.14
  BOTTOM w0.102: 85.09,141.48 C113.2
  BOTTOM w0.381: v2(97.06,80.74) 97.03,80.71 C150.2 ; v5(74.3,100.22) 75.2,100.22 C143.2 ; C123.2 71.62,138.05 71.37,138.3 v2(71.37,138.33) 71.37,138.73 C114.2 ; v2(96.26,80.74) 95.63,80.11 C151.2 ; v2(82.81,138.49) 82.93,138.37 C119.2 84.2,137.79 ; 78.74,141.6 78.05,141.6 v2(77.98,141.68) ; v2(70.74,141.73) 70.99,141.48 C110.1 ; v2(85.86,80.74) 86.49,80.11 C153.2 ; v2(85.27,134.93) 84.2,136 84.2,136.14 ; C120.2 79.76,138.34 v2(79.61,138.49) ; v2(78.87,131.09) 78.74,131.22 78.74,133.22 ; v5(74.17,105.42) 74.22,105.42 74.68,105.88 C140.2 ; v2(74.01,136.89) 74.3,137.17 C122.2 ; v2(77.21,135.29) 77.47,135.55 C126.2 ; C128.2 v2(78.74,137.16) ; C152.2 88.52,80.48 v2(88.26,80.74) ; C115.2 78.75,138.43 v2(79.61,139.29) ; v2(79.5,136.91) 79.76,136.65 C125.2 ; C129.2 71.43,135.43 v2(71.43,134.75) ; v2(74.81,143.29) 74.68,143.42 C107.1 ; v4(67.82,73.56) 68.1,73.28 C154.2 ; v2(77.19,138.48) 77.47,138.2 C121.2
  BOTTOM w0.508: v4(150.62,138.81) 149.99,138.81 C117.2 ; C161.2 v4(130.81,38.86) ; v4(13.84,105.28) 13.65,105.09 T5.1 ; C157.2 v4(95,71.88) ; v4(64.77,137.41) 65.02,137.16 R245.1 ; D12.2 v4(123.38,104.97) ; C112.2 v4(58.93,139.95) ; CN25.3 v4(60.25,48.36) ; v4(153.92,156.34) 153.67,156.08 C100.2 ; C165.1 v4(37.21,29.97) ; v4(146.94,145.67) 147.39,145.22 T3.1 ; v4(28.45,107.44) 28.96,107.95 C138.2 ; C105.2 83.31,144.15 v4(83.57,144.4) ; v4(150.98,139.8) 151.54,139.8 C116.2 ; C160.2 C159.2 88.7,71.88 v4(88.95,72.14) ; v4(148.12,143.64) 148.21,143.64 148.97,142.88 R230.2 ; D10.2 v4(123.44,108.78) ; v4(150.5,155.69) 150.11,156.08 C101.1 ; C137.2 v4(23.11,112.39) ; C141.2 26.67,104.27 v4(27.05,104.65) ; C142.2 30.73,105.16 v4(29.84,106.05) ; C134.2 128.91,123.7 v4(128.91,124.97) C131.1 ; v4(57.78,142.37) 57.78,143.13 C109.2 58.67,143.26 v4(58.67,142.37) ; 85.09,141.48 85.34,141.73 85.36,141.73 v2(85.72,142.09) ; C139.2 25.65,107.95 v4(25.15,107.44) ; C158.2 v4(92.58,70.87) ; C144.2 v4(79.38,95.25) ; C145.2 v4(95,85.22) ; C133.2 78.11,121.92 v4(78.56,121.46) ; v4(21.34,126.11) 20.95,125.73 C132.2 ; D14.2 v4(123.38,101.16) ; C147.2 v4(89.28,85.22) ; v4(79.48,145.03) 79.5,145.03 79.12,144.65 C106.2 ; v4(87.38,85.34) 87.25,85.22 C148.2 ; v4(148.08,151.77) 148.89,150.96 T2.1 ; v4(64.14,145.03) 64.14,145.92 C103.2 63.25,145.8 v4(63.25,145.03) ; C146.2 v4(92.58,85.22) ; R303.2 v4(17.78,35.43) ; T4.1 v4(11.26,108.84) ; v4(58.67,145.03) 58.67,145.92 C104.2 57.78,145.8 v4(57.78,145.03) ; C162.2 v4(55.37,33.27) ; C163.2 v4(16.66,32.51) ; D9.2 131.25,110.68 v4(131.95,111.38) ; v4(67.21,74.07) C155.2 ; C164.1 v4(38.61,29.97) ; C149.2 v4(65.41,82.93) ; v4(131.95,103.06) D13.2 ; C136.1 v4(127.38,120.14) ; v4(64.26,142.37) 64.26,143.13 C108.2 63.25,143.13 v4(63.25,142.37) ; D11.2 v4(132.21,106.87) ; R207.2 v4(146.56,152.02) ; C135.2 v4(130.3,120.27) ; C156.2 v4(96.14,70.87) ; v4(58.6,46.43) CN25.5
  vias: v1(24.38,58.17) v1(24.38,57.28) v1(25.15,58.17) v1(25.15,57.28) v1(25.91,58.17) v1(25.91,57.28) v1(49.28,57.4) v1(49.28,56.64) v1(49.28,55.88) v1(50.04,57.4) v1(50.04,56.64) v1(50.04,55.88) v1(123.65,15.09) v1(123.62,12.62) v4(1.27,47.75) v4(1.4,32.64) v4(1.4,21.34) v4(2.16,1.52) v4(5.56,10.62) v4(7.34,11.76) v4(17.27,70.48) v4(24,70.74) v4(25.02,61.98) v4(27.05,107.44) v4(27.05,106.05) v4(28.45,106.05) v4(28.45,104.65) v4(28.7,1.52) v4(29.84,107.44) v4(29.84,104.65) v4(30.15,92.56) v4(30.15,70.43) v4(30.18,59.61) v4(30.3,82.14) v4(30.3,44.7) v4(35.2,97.59) v4(38.73,101.19) v4(50.72,70.66) v4(51.05,1.52) v4(51.31,32.89) v4(51.31,30.99) v4(51.66,79.2) v4(51.92,42.8) v4(53.34,32.89) v4(53.34,30.99) v4(55.73,57.73) v4(62.36,68.81) v4(65.79,1.4) v4(71.96,65.96) v4(77.34,151.89) v4(79.22,48.74) v4(79.76,1.27) v4(81.2,65.94) v4(82.04,35.69) v4(83.67,53.52) v4(87.5,45.72) v4(92.05,65.81) v4(93.85,1.02) v4(95.38,22.73) v4(98.04,41.4) v4(100.97,59.05) v4(101.47,28.19) v4(104.9,1.14) v4(109.09,67.56) v4(110.62,34.29) v4(113.54,15.37) v4(113.67,62.23) v4(113.67,50.29) v4(117.73,46.48) v4(117.73,45.59) v4(117.73,44.7) v4(118.49,46.48) v4(118.49,45.59) v4(118.49,44.7) v4(125.09,42.55) v4(125.35,60.83) v4(125.32,13.82) v4(125.48,81.28) v4(129.41,12.06) v4(131.06,30.61) v4(132.21,20.19) v4(136.65,69.34) v4(138.05,130.18) v4(138.81,110.87) v4(140.21,85.98) v4(140.46,99.95) v4(141.6,152.15) v4(141.6,151.38) v4(141.6,113.67) v4(142.24,120.78) v4(142.37,130.68) v4(142.49,152.15) v4(142.49,151.41) v4(143.26,89.92) v4(143.38,152.15) v4(143.38,151.41) v4(155.07,51.82) v4(155.45,74.3) v4(155.57,107.44) v4(155.57,92.46) v4(155.7,119) v4(155.7,33.02) v4(155.7,18.16) v4(155.7,6.22)
